# KiCad board klofi_3x5.kicad_pcb (continued)
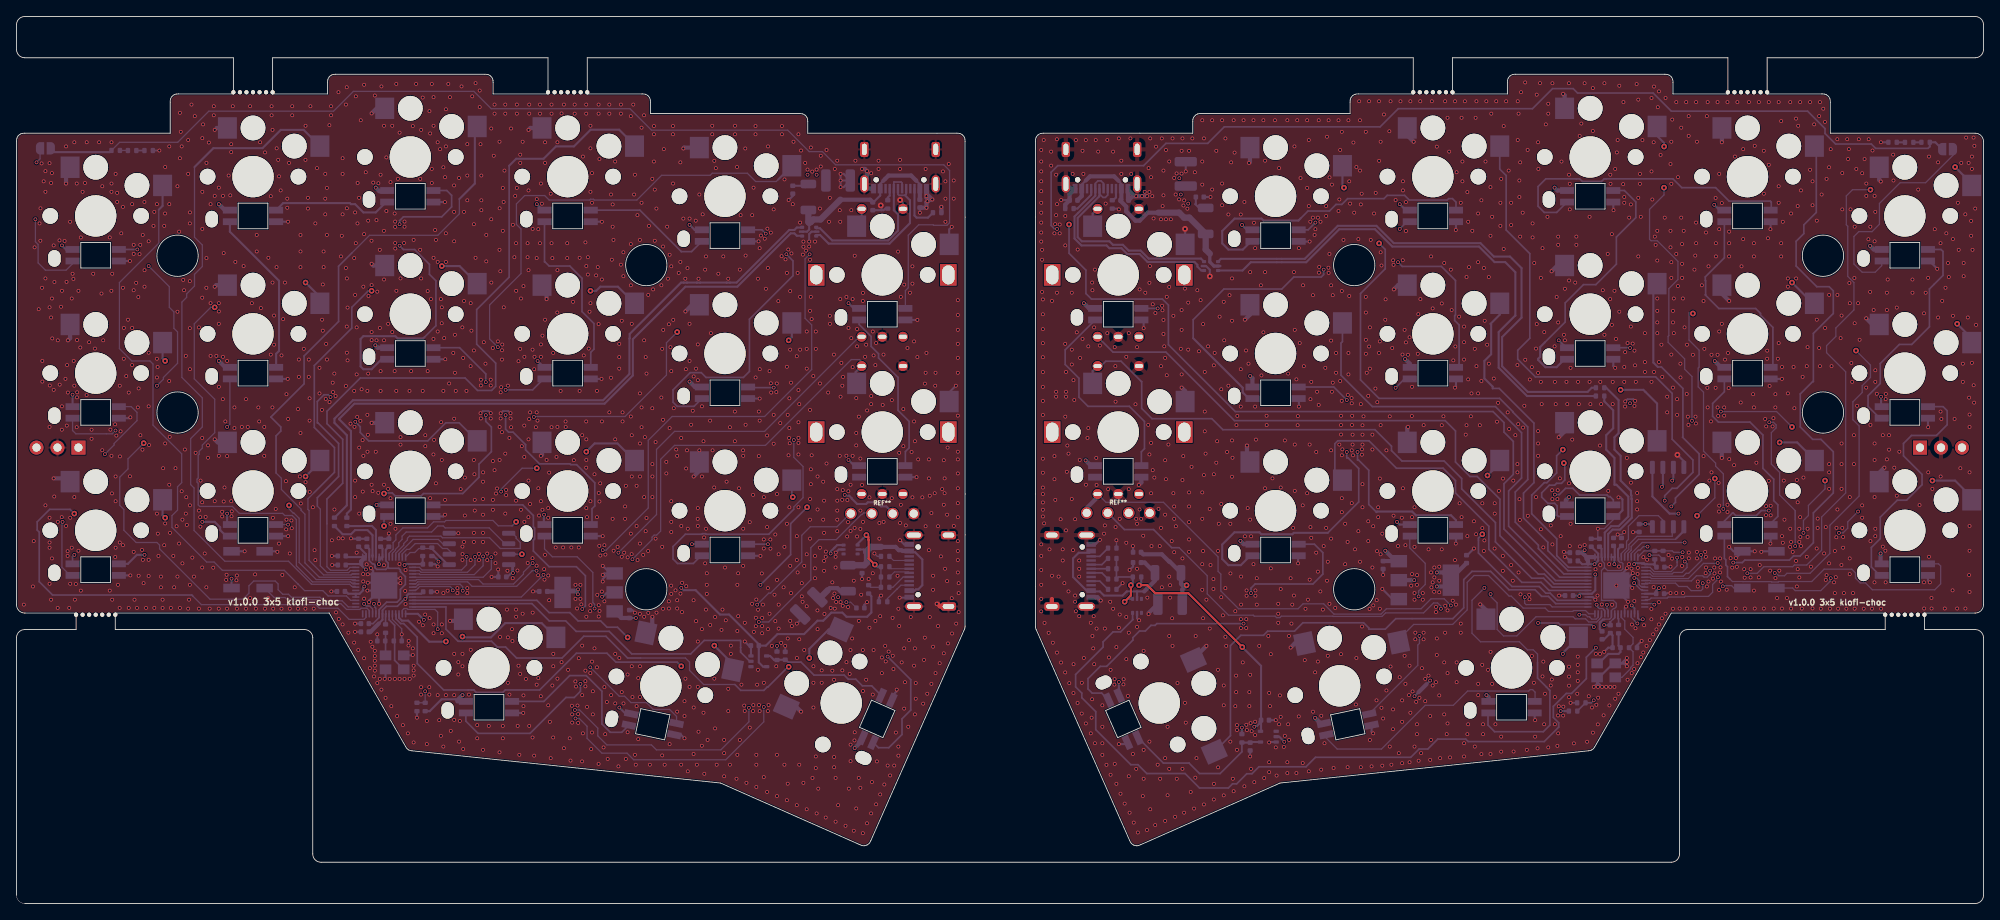
[diagram p0: board, top side]
## Routing (per net, layer and track width the routed paths; a pad name or vN(x,y) marks a point on that pad's centre or on a via; arc(x,y) is an arc through that point) (continued)
/right/KEY7: length 28
  In1.Cu w0.203: v2(177.5,44.75) 178.5,45.75 178.5,51.5 178,52
  Back w0.203: rU5.31 186.59,36.74 185.72,37.61 185.19,37.61 184.38,38.42 181.09,38.42 177.03,42.48 177.03,44.28 v2(177.5,44.75)
  Back w0.254: v2(178.13,51.87) 178.73,52.48 178.73,53.69
/right/KEY8: length 29.6
  Back w0.152: 168.29,32.92 169.19,33.82 173.91,33.82 175.67,35.58 175.67,38.92 176.5,39.75 178.25,39.75 180.75,37.25 181,37.25 182.45,35.8 185.11,35.8 185.51,35.4 188.45,35.4 188.55,35.5 190,35.5 190.4,35.1 rU5.28
/right/KEY9: length 12.9
  In1.Cu w0.152: v1(187.25,30.25) 188,31 188,33.75 v1(189.25,35)
  Back w0.152: rU5.27 191.53,34.7 191.29,34.46 190.75,34.46 190.5,34.71 190.5,34.75 190.25,34.75 190,35 v1(189.25,35) ; 188.29,32.02 188.59,32.32 188.59,33.42
  Back w0.254: rSW19.1 187.25,30.37 v1(187.25,30.25)
/right/KEY10: length 41.6
  In1.Cu w0.203: 192.75,59 192.75,57.75 191.25,56.25 189.75,56.25 188.5,55 v2(187.25,55)
  In1.Cu w0.254: 192.75,59 194.25,60.5 v2(194.25,62.25)
  Back w0.203: v2(187.25,55) 186.5,54.25 186.5,52.17 185.33,51 185,51 183.5,49.5 183.48,49.5 183.48,47.23 186.52,44.19 186.52,42.15 187.93,40.74 rU5.41
  Back w0.254: rSW16.1 198.66,60.59 197,62.25 v2(194.25,62.25)
/right/KEY11: length 43.5
  In1.Cu w0.203: v1(201.09,41.92) 199.89,43.12 199.89,47.07 200.39,47.57 v1(200.39,48.12)
  Back w0.152: 201.09,41.32 201.09,40.94 200.36,40.22 198.33,40.22 197.81,40.74 rU5.2
  Back w0.203: v1(200.39,48.12) 200.89,48.62 200.89,49.14 203.75,52 203.75,54.5 201.75,56.5 201.79,56.54 201.79,62.42 199.19,65.02 198.75,65.02 ; 201.09,41.32 v1(201.09,41.92)
  Back w0.254: 198.75,65.02 198.21,65.56 198.21,74.66 rSW10.1
/right/KEY12: length 66
  In1.Cu w0.152: 199.5,91.75 v2(199.52,91.73) 199.52,86.77 v2(199.5,86.75) ; v1(202.89,58.5) 202.89,54.82 203.09,54.62 203.09,50.56 202.99,50.45 202.99,49.52 203.09,49.42 203.09,48.42 203.71,47.8 203.79,47.8 204.06,47.52 204.06,45.91 203.64,45.49 203.64,44.18 204.01,43.81 204.01,42.27 v1(203.99,42.24)
  Back w0.152: v1(202.89,58.5) 202.89,63.86 202,64.75 202,66 200,68 200,68.73 200.09,68.82 200.09,74.52 201.19,75.62 201.19,77.82 198.69,80.32 197.93,80.32 197.75,80.5 197.75,84.13 199.5,85.88 v2(199.5,86.75) ; v1(203.99,42.24) 204.06,42.17 204.06,41.59 202.49,40.02 202.19,40.02 201.83,39.66 198.1,39.66 197.82,39.94 rU5.4
  Back w0.254: rSW4.1 198.66,93.02 199.52,92.17 v2(199.52,91.73)
/right/KEY13: length 79.1
  In1.Cu w0.203: v1(206,41.26) 206.53,41.26 206.59,41.32 v1(207.89,41.32)
  Back w0.152: v1(206,41.26) 205.95,41.22 204.29,41.22 202.45,39.38 197.99,39.38 197.82,39.54 rU5.5
  Back w0.203: rSW3.1 217.94,91.56 217.94,83.75 216.43,82.24 216.43,81.18 215.5,80.25 215.5,77.25 218,74.75 219.5,74.75 220,74.25 220,71.5 217.59,69.09 217.59,63.25 217.5,63.25 216,61.75 216,57.75 217.5,56.25 218.5,56.25 220,54.75 220,49.75 217.59,47.34 217.59,43.72 215.99,42.12 215.19,42.12 214.69,41.62 209.29,41.62 208.99,41.32 v1(207.89,41.32)
/right/KEY14: length 60.4
  In1.Cu w0.152: v1(206.69,47.82) 206.69,43.52 205.09,41.92 v1(205.09,40.34)
  In1.Cu w0.254: v2(203,71.5) 206.75,71.5 207.98,72.73 210.98,72.73 213.5,75.25 v2(215,75.25)
  Back w0.152: rU5.6 197.83,39.14 197.87,39.1 202.82,39.1 203.44,39.72 204.19,39.72 204.35,39.56 204.74,39.56 205.02,39.84 205.02,39.85 205.09,39.92 v1(205.09,40.34) ; v1(206.69,47.82) 206.69,52.06 205.75,53 205.75,53.36 204.29,54.83 204.29,61.96 203.64,62.61 203.64,64.89 203.75,65 203.75,67.06 202.53,68.28 202.53,71.58 202.92,71.58 v2(203,71.5)
  Back w0.254: v2(215,75.25) 217.51,72.74 rSW9.1
/right/KEY15: length 37.7
  In1.Cu w0.152: v2(213.5,55.87) 213.5,55.25 212.25,54 208.16,54 v2(205.66,51.5) ; v2(203.5,47) 203.5,46.5 203,46 203,43.33 202.99,43.32 202.99,40.62 204.21,39.39 204.21,38.84 v1(204.19,38.82)
  Back w0.152: v2(205.66,51.5) 205.66,49.16 v2(203.5,47) ; v1(204.19,38.82) 204.19,38.12 203.99,37.92 202.79,37.92 202.29,38.42 201.29,38.42 200.89,38.82 197.75,38.82 197.75,38.82 197.25,38.82 rU5.7
  Back w0.254: v2(213.5,55.87) 215.63,55.87 217.71,53.79 rSW15.1
/right/KEY16: length 100.4
  In1.Cu w0.152: v1(220.69,44.92) v1(216.39,44.92) ; v2(219,51.25) 219,51.75 218.75,52 218.75,55 216,57.75 v2(215,57.75) ; v1(206.39,59.62) 202.69,59.62 202.53,59.47 202,60 199.25,60 197.5,58.25 195.25,58.25 193.75,56.75 193.75,54.25 194.47,53.53 194.47,46.3 192.39,44.22 189.59,44.22 188.64,43.27 188.64,42.37 186.79,40.52 185.19,40.52 182.62,37.95 182.62,37.13 v1(182.64,37.12)
  In1.Cu w0.254: v1(223,47.5) 226.5,47.5 227.5,48.5 229.25,48.5 v2(232,51.25)
  Back w0.152: v1(223,47.5) 221.75,46.25 221.75,45.48 221.19,44.92 v1(220.69,44.92) ; rU5.29 185.97,35.94 185.69,36.22 182.79,36.22 182.62,36.39 182.62,37.1 v1(182.64,37.12) ; v1(216.39,44.92) 216.39,46.42 216.99,47.02 216.99,48.24 219,50.25 v2(219,51.25) ; v2(215,57.75) 213.13,59.62 v1(206.39,59.62)
  Back w0.254: rSW14.1 236.76,49.24 234.75,51.25 v2(232,51.25)
/right/KEY17: length 75.8
  In1.Cu w0.152: v1(196.27,33.94) 196.31,33.9 196.31,33.79 196.89,33.22 197.59,33.22 198.59,34.22 198.59,34.62 199.19,35.22 199.19,35.42 200.09,36.32 211.89,36.32 212.49,36.92 212.49,39.64 v1(212.91,40.06)
  In1.Cu w0.254: v2(235,70.25) 232.5,70.25 230,67.75 223.5,67.75 v2(222.75,67)
  Back w0.152: rU5.17 195.53,34.66 196.18,34.02 196.19,34.02 v1(196.27,33.94) ; v2(222.75,67) 224.5,65.25 224.5,63.75 223.5,62.75 223.5,61.92 222.38,60.8 222.38,58.62 223.13,57.87 223.13,49.37 219.58,45.83 219.58,42.42 217.19,40.02 214.39,40.02 214.09,39.72 213.39,39.72 213.05,40.06 v1(212.91,40.06)
  Back w0.254: rSW8.1 236.76,68.49 v2(235,70.25)
/right/KEY18: length 89.2
  In1.Cu w0.152: v2(224.5,86.5) 229.5,86.5 232.25,89.25 v2(234.75,89.25) ; v1(209.59,40.02) 207.69,40.02 207.2,39.53 v1(206.03,39.53)
  Back w0.152: v1(209.59,40.02) 210.79,40.02 211.59,40.82 215.09,40.82 215.29,41.02 216.79,41.02 218.59,42.82 218.59,46.84 221.5,49.75 221.5,64.44 219.19,66.75 219.19,67.6 220.31,68.73 220.31,69.75 222.5,71.94 222.5,75.25 221.75,76 221.75,82.08 221.58,82.25 221.58,85.75 222.33,86.5 v2(224.5,86.5) ; v1(206.03,39.53) 205.9,39.41 205.9,39.18 205.39,38.67 205.39,37.72 204.89,37.22 202.06,37.22 201.99,37.14 200.01,37.14 199.89,37.02 197.94,37.02 197.75,36.84 197.27,36.84 rU5.12
  Back w0.254: v2(234.75,89.25) 236.76,87.24 rSW2.1
/right/KEYEX1: length 102.6
  In1.Cu w0.254: rEXSW1.S2 129.34,84.18 v2(127.45,82.29)
  Back w0.203: 130.04,81.47 129.87,81.64 ; rU5.37 186.37,39.14 180.13,45.38 180.13,50.88 181.25,52 181.25,56 180.13,57.12 180.13,58.28 178.79,59.62 147.59,59.62 139.49,67.72 139.49,72.52 138.76,73.25 130.17,73.25 129.5,73.92 129.5,76.75 127.45,78.8 127.45,82.2 127.5,82.25 127.46,82.29 v2(127.45,82.29)
  Back w0.254: rEXSW1.S2 130.31,83.58 rEXSW1.S2
/right/KEYEX2: length 77.8
  Back w0.203: 130.91,64.73 131.9,65.72 133.75,65.72 136.22,63.25 136.25,63.25 136.25,60 137.5,58.75 144.75,58.75 146.08,57.42 164.5,57.42 166.5,55.42 166.5,54.89 167.76,53.62 172.88,53.62 175,51.5 175,50.25 179.09,46.16 179.09,43.82 183.49,39.42 184.91,39.42 185.99,38.34 rU5.35
  Back w0.254: rEXSW2.S2 130.31,64.53 rEXSW2.S2
/right/LED: length 63.2
  In1.Cu w0.203: v1(198.33,36.22) 197.09,36.22 196.15,37.16 194.82,37.16 194.19,36.52 194.19,35.72 193.79,35.32 190.59,35.32 188.69,33.42 188.69,31.32 188.5,31.13 188.5,25.25 188.89,24.86 188.89,23.37 186.64,21.12 169.39,21.12 166.69,18.42 164.99,18.42 164.79,18.22 162.79,18.22 162.49,17.92 160.99,17.92 160.89,17.82 155.39,17.82 153.61,19.6 v1(153.52,19.6)
  Back w0.152: v1(198.33,36.22) 198.19,36.22 198.07,36.34 rU5.13
  Back w0.254: v1(153.52,19.6) 152.9,20.22 rU6.2
/right/QSPI_SCLK: length 8.6
  Back w0.152: rU5.52 194.73,42.42 195.25,42.93 195.25,43.5 196.25,44.5 200.5,44.5 200.5,45.51 rU3.6
/right/QSPI_SD0: length 9.1
  Back w0.152: 201,44.25 200.89,44.14 196.41,44.14 195.53,43.26 195.53,42.81 195.13,42.42 rU5.53
  Back w0.254: 201,44.25 201.91,45.15 rU3.5
/right/QSPI_SD1: length 12.7
  In1.Cu w0.254: v1(197.5,43.25) 198.25,44 198.25,49.5 v1(199.25,50.5)
  Back w0.152: rU5.55 195.93,42.38 196.38,42.82 196.57,42.82 197,43.25 v1(197.5,43.25)
  Back w0.254: rU3.2 199.37,50.61 v1(199.25,50.5)
/right/QSPI_SD2: length 17.2
  In1.Cu w0.152: v1(202,43.75) 202,49.75 v1(200.5,51.25)
  Back w0.152: rU5.54 195.53,42.43 196.86,43.75 v1(202,43.75)
  Back w0.254: v1(200.5,51.25) 200.64,51.38 rU3.3
/right/QSPI_SD3: length 9.8
  Back w0.152: rU3.7 199.37,46.45 198.81,47 196.47,47 195.19,45.72 195.19,44.12 194.96,43.9 194.96,43.05 194.33,42.41 rU5.51
/right/QSPI_SS: length 18.3
  In1.Cu w0.152: v1(201.76,42.56) 201.19,43.13 201.19,47.19 v1(201.25,47.25)
  Back w0.152: rR3.1 197.08,42.73 rU5.56 ; v1(201.76,42.56) 200.66,42.56 200.5,42.73 rR4.1
  Back w0.203: rR4.1 rR3.1
  Back w0.254: rU3.1 198.1,49.33 200.18,47.25 v1(201.25,47.25)
/right/RE0A: length 76.6
  Back w0.203: rEXSW1.A 132.77,66.82 139.19,66.82 147.49,58.52 173,58.52 174.25,57.27 174.25,53.5 176,51.75 176.88,51.75 179.63,49 179.63,44.57 184.29,39.92 185.01,39.92 186.19,38.74 rU5.36
/right/RE1A: length 84.4
  In1.Cu w0.152: v1(173.69,36.12) 177.31,32.5 181.75,32.5 184.27,35.02 184.27,35.52 187.27,38.52 190.98,38.52 191.92,39.45 v1(195.9,39.45)
  Back w0.152: v1(173.69,36.12) 172.89,36.92 171.29,36.92 170.09,35.72 165.89,35.72 165.24,35.07 159.54,35.07 158.29,36.32 155.79,36.32 155.19,35.72 147.99,35.72 145.84,37.87 145.84,39.91 145.5,40.25 145.5,42.01 138.89,48.62 131.92,48.62 rEXSW2.A ; v1(195.9,39.45) 195.9,39.42 195.91,39.42 196.2,39.42 196.49,39.13 196.49,38.62 196.68,38.44 197.17,38.44 rU5.8
  Back w0.508: rEXSW2.A 130.91,49.24 129.6,47.93 rJ2.1
/right/REB: length 103.9
  In1.Cu w0.152: v1(172.49,35.72) 172.59,35.62 172.59,34.62 174.46,32.75 174.46,32.64 174.71,32.39 174.82,32.39 175.19,32.02 179.48,32.02 179.75,31.75 181.46,31.75 181.57,31.64 182.89,31.64 185.77,34.52 187.89,34.52 192.39,39.02 195.69,39.02 v1(195.88,38.83)
  In1.Cu w0.203: rEXSW1.B 137.5,67.09 137.5,63.23 136.38,62.11 136.38,58.63 136.59,58.42 136.59,50.3 rEXSW2.B 135.36,49.63 133.06,47.33 rJ2.2
  Back w0.152: rU5.9 196.97,37.94 196.87,38.04 196.68,38.04 196.53,38.18 196.53,38.19 196.29,38.42 196.29,38.42 v1(195.88,38.83) ; v1(172.49,35.72) 172.49,36.02 172.09,36.42 171.59,36.42 170.39,35.22 165.78,35.22 165.35,34.79 159.42,34.79 159.39,34.82 153.16,34.82 152.99,34.64 152.59,34.64 152.41,34.82 149.89,34.82 149.77,34.94 146.77,34.94 144.19,37.52 144.19,39.72 140.79,43.12
  Back w0.203: 140.79,43.12 139.88,43.12 137.69,45.32 134.16,45.32 rJ2.2
/right/rLED_LVL_UP: length 18.9
  Back w0.203: rR19.1 148.39,18.39 145.75,15.75 143.25,15.75 142,17 142,17.02 138.87,17.02 rLED21.4
  Back w0.254: rR19.1 148.4,19.5 rC25.1 149.46,19.57 rU6.4
/right/rVBUS_ESD: length 27.8
  Back w0.254: J5.B4 133.79,87.2 133.57,87.41 133.57,87.46 133.45,87.59 ; J5.A4 128.99,87.12 129.49,87.62
  Back w0.4: rU2.5 145,77.25 144.5,77.75 144.5,78.75
  Back w0.508: 133.45,87.59 132.91,88.12 129.99,88.12 129.49,87.62 ; 138.28,83.72 136.97,83.72 136,82.75 135.5,82.75 134.38,83.87 134.38,84.45 133.71,85.13 rC7.1 133.79,85.3 J5.B4 ; rC6.1 128.99,85.73 J5.A4
  Back w0.762: 138.28,83.72 140.79,83.72 141.39,83.12 142.03,83.12 rFB1.1 144,79.25 144.5,78.75
/right/SWCLK: length 78.6
  In1.Cu w0.152: 232,37.52 232.29,37.52 ; 232,37.52 234.77,37.52 237,39.75 237,56.25 236.5,56.75 232,56.75 rJ1.1 ; 232,37.52 223.89,37.52 223.39,37.02 215.29,37.02 214.99,37.32 214.99,40.52 214.59,40.92 211.89,40.92 211.49,40.52 211.49,37.42 211.09,37.02 199.99,37.02 199.89,37.12 198.19,37.12 197.84,37.46 193.53,37.46 192.59,36.52 v1(192.59,36.21)
  Back w0.152: v1(192.59,36.21) 192.59,36.01 192.59,35.72 192.73,35.57 rU5.24
/right/SWD: length 70.4
  In1.Cu w0.152: rJ1.3 236,54.83 236,40.42 234,38.42 216.99,38.42 216.69,38.72 216.69,41.42 216.09,42.02 215.69,42.02 215.59,42.12 211.49,42.12 210.49,41.12 210.49,38.92 209.69,38.12 209.29,38.12 208.69,37.52 202.69,37.52 201.59,38.62 200.54,38.62 199.34,37.42 198.41,37.42 198.09,37.74 194.21,37.74 194.14,37.82 192.87,37.82 191.67,36.62 191.66,36.62 191.39,36.34 191.34,36.34 v1(191.34,36.21)
  Back w0.152: rU5.25 192.33,35.47 192.24,35.57 192.24,35.6 192.09,35.74 191.66,35.74 191.49,35.92 191.49,36.06 v1(191.34,36.21)
/right/TX: length 101.8
  Front w0.203: v1(196.93,34.44) 196.93,34.33 196.94,34.32
  In1.Cu w0.203: v1(196.93,34.44) 196.93,34.44 194.81,34.44 194.19,33.82 194.07,33.82 v1(191.25,31) 191.19,31.06
  Back w0.203: rU4.3 135.15,34.45 135.19,34.41 133.7,32.92 132.78,32.92 131.58,31.71 131.58,31.08 128.25,27.75 128.25,26.25 129,25.5 129,24.94 130.69,23.25 130.69,21.07 134.93,16.82 135.8,16.82 136.87,15.75 141.5,15.75 143.25,14 146.75,14 147.25,14.5 147.75,14.5 148.97,15.72 149.6,15.72 150.45,16.57 156.15,16.57 157.3,17.72 168.83,17.72 169.84,18.72 170.9,18.72 172.1,19.92 175.5,19.92 175.79,19.63 185,19.63 186.75,21.38 186.75,21.9 186.1,22.55 186.1,23.89 187.67,25.45 188.3,25.45 190.1,27.25 190.1,29.85 v1(191.25,31) ; v1(196.93,34.44) 196.89,34.4 196.52,34.4 196.33,34.59 rU5.15
/right/USB_VBUS_PIN: length 20
  In1.Cu w0.203: v1(190.99,24.62) 190.99,25.26 189.5,26.75 189.5,26.77 189.51,26.79 189.51,27.16 189.5,27.18 189.5,27.82 189.51,27.83 189.51,28.21 189.5,28.22 189.5,28.72 189.51,28.73 189.51,29.11 189.5,29.12 189.5,29.72 189.51,29.73 189.51,30.11 189.5,30.12 189.5,32.73 191.59,34.82 194.45,34.82 195.59,35.95 v1(195.59,36.12)
  Back w0.203: rU5.16 195.93,35.77 v1(195.59,36.12) ; v1(190.99,24.62) 190.69,24.32 rR2.1 rR1.2
Net-(C23-Pad1): length 2.7
  Back w0.203: Y1.3 R15.1
Net-(EXLED1-DIN): length 137.4
  Back w0.152: JP1.2 4.15,91.87 ; R16.1 12.49,92.25 19.52,92.25 23.29,96.02 38.39,96.02 40.79,98.42 55.39,98.42 57.49,96.32 74.29,96.32 76.89,93.72 93.39,93.72 95.99,91.12 97.59,91.12 99.19,89.52 112.29,89.52 112.99,88.82 112.99,82.5 112.68,82.19 111.06,82.19 111,82.25 109.25,82.25 107.99,80.99 107.99,74.62 107.64,74.27 EXLED1.4
  Back w0.254: JP1.2 4.61,91.06 11.3,91.06 R16.1
Net-(EXLED1-DOUT): length 20.3
  Back w0.203: EXLED1.2 102.04,70.17 103.49,68.72 103.49,67.52 104.39,66.62 104.39,66.11 106.75,63.75 106.75,59.76 108.09,58.42 108.09,55.22 107.64,54.77 EXLED2.4
Net-(J3-CC1): length 1.5
  Back w0.254: J3.A5 105.74,85.78 105.5,85.54 R5.2
Net-(J3-CC2): length 5.9
  Back w0.254: J3.B5 108.74,83.37 108.99,83.12 110.38,83.12 R6.2
Net-(J4-CC1): length 2.6
  Back w0.127: J4.A5 106.2,41.57 R7.2
Net-(J4-CC2): length 3.7
  Back w0.152: J4.B5 107.09,38.57 106.63,38.1 106.62,38.1 105.45,36.94 R9.2
Net-(J4-D+-PadA6): length 2.2
  Back w0.127: R11.2 105.95,40.57 107.82,40.57
Net-(J4-D+-PadB6): length 2.9
  Back w0.152: R12.2 106.12,38.32 107.37,39.57 J4.B6
Net-(J4-D--PadA7): length 2.7
  Back w0.127: J4.A7 107.98,40.18 106.31,40.18 R10.1
Net-(J5-CC1): length 3.6
  Back w0.254: rR5.2 128.47,84.22 130.14,85.89 J5.A5
Net-(J5-CC2): length 1.7
  Back w0.254: rR6.2 132.81,85.23 133.14,85.56 J5.B5
Net-(J6-CC1): length 2.5
  Back w0.203: rR7.2 131.18,39.07 J6.A5
Net-(J6-CC2): length 2.5
  Back w0.203: J6.B5 131.18,42.07 rR8.2
Net-(J6-D+-PadA6): length 2.4
  Back w0.203: J6.A6 131.43,40.07 rR11.2
Net-(J6-D+-PadB6): length 2.4
  Back w0.203: rR12.2 131.43,41.07 J6.B6
Net-(J6-D--PadA7): length 2.1
  Back w0.203: rR10.1 J6.A7
Net-(JP1-A): length 19.4
  In1.Cu w0.152: v1(2.29,82.92) 2.29,88.58 2.43,88.72 v1(2.43,89.82)
  Back w0.152: v1(2.29,82.92) 2.29,80.19 2.62,79.87 2.62,77.63 3.5,76.75 6,76.75 6.79,77.54 LED2.2 ; JP1.1 2.85,90.24 v1(2.43,89.82)
Net-(LED2-DIN): length 37.5
  In1.Cu w0.152: v1(11.99,57.32) 12.89,58.22 14,58.22 15.5,59.72 15.5,61.25 v1(17,62.75) ; 15.5,79.26 16,78.76 v1(16,77.25)
  In1.Cu w0.203: v1(14.63,79.26) 15.5,79.26
  Back w0.152: v1(16,77.25) 18.5,74.75 18.5,72.25 19.06,71.69 19.06,69.71 19.5,69.27 19.5,65.46 17.79,63.75 17.79,63.54 v1(17,62.75) ; v1(11.99,57.32) 11.59,56.92 7.19,56.92 6.79,57.32 LED8.2
  Back w0.203: v1(14.63,79.26) LED2.4
Net-(LED3-DIN): length 14.8
  Back w0.254: LED3.4 32.29,84.88 40.37,84.88 40.5,84.75 41,84.75 42,83.75 43.5,83.75 44.75,85 LED4.2
Net-(LED3-DOUT): length 20.3
  Back w0.254: LED3.2 25.84,81.41 31.79,75.46 31.79,66.97 31.44,66.62 LED9.4
Net-(LED5-DIN): length 16
  Back w0.203: LED6.2 81.75,79 80.5,79 80.5,79 75.48,84.02 LED5.4
Net-(LED10-DIN): length 39
  In1.Cu w0.203: v1(56.83,59.18) v1(56.83,63.18) ; v2(44.5,49.68) v2(44.5,45.75)
  Back w0.203: LED10.4 53.65,67.35 56.83,64.18 v1(56.83,63.18) ; v1(56.83,59.18) 56.83,58.42 57.5,57.75 57.5,54.75 56,53.25 56,51.65 54.03,49.68 49.28,49.68 49,49.4 45.85,49.4 45.5,49.75 44.57,49.75 v2(44.5,49.68) 44.5,49.75 ; LED16.2 44.5,46.52 v2(44.5,45.75)
Net-(LED10-DOUT): length 43.4
  In1.Cu w0.203: v1(46.39,79.72) v1(46.39,82.32)
  Back w0.203: LED4.4 52.1,86.4 52.69,85.82 52.69,84.42 51.49,83.22 46.85,83.22 46.39,82.75 v1(46.39,82.32) ; 49.42,68.65 50.79,70.02 50.79,75.46 50,76.25 50,77.46 48.21,79.25 46.86,79.25 v1(46.39,79.72)
  Back w0.254: 49.42,68.65 49.25,68.48 46.15,68.48 45.87,68.75 42,68.75 41.66,68.41 41.66,65.09 42,64.75 43,64.75 44.2,65.95 LED10.2
Net-(LED11-DIN): length 21.8
  Back w0.203: LED11.4 69.54,66.79 69.93,67.18 69.93,70.28 68.48,71.73 68.48,75.73 68.5,75.75 67,77.25 64.5,77.25 64,77.75 63.94,77.75 LED5.2
Net-(LED11-DOUT): length 29.2
  In1.Cu w0.203: v1(59.23,62.25) v1(59.23,59.18)
  Back w0.203: LED17.4 69.69,46.07 69.69,47.84 70.03,48.18 70.03,50.98 67.83,53.18 67.13,53.18 67.03,53.28 63.34,53.28 61.64,54.97 61.64,55.61 60.13,57.12 59.59,57.12 59.23,57.48 v1(59.23,59.18) ; v1(59.23,62.25) 62.5,62.25 63.82,63.57 LED11.2
Net-(LED12-DIN): length 43
  In1.Cu w0.152: v1(94.13,56.16) 94.13,61.78 93.39,62.52 v1(91.69,62.52)
  Back w0.152: v1(94.13,56.16) 94.13,54.07 95.24,52.96 95.24,49.18 94.13,48.06 94.13,47.78
  Back w0.203: LED12.4 88.66,62.52 v1(91.69,62.52) ; LED18.2 82.89,42.14 81.96,41.21 80.04,41.21 79.5,41.75 79.5,43.25 81,44.75 83,44.75 83.07,44.81 83.44,44.81 83.51,44.75 91.1,44.75 94.13,47.78
Net-(LED12-DOUT): length 38.8
  In1.Cu w0.203: v1(93.23,78.68) v1(90.73,81.18)
  Back w0.203: v1(90.73,81.18) 90.26,81.64 LED6.4 ; LED12.2 82.05,60.25 80,60.25 79.5,60.75 79.5,62.25 81.58,64.33 82.92,64.33 83.5,63.75 88.02,63.75 88.75,64.48 88.75,70.8 94.03,76.08 94.03,77.88 v1(93.23,78.68)
Net-(LED14-DIN): length 17
  In1.Cu w0.254: v1(15.5,42.25) 15.98,42.25 16.45,42.72 19.59,42.72 21.39,44.52 21.39,45.47 22.17,46.25 v1(22.5,46.25)
  Back w0.254: LED15.2 25.39,44.52 24.66,45.25 24.66,45.59 24,46.25 v1(22.5,46.25) ; v1(15.5,42.25) 14.57,42.25 13.48,41.16 LED14.4
Net-(LED14-DOUT): length 29.1
  In1.Cu w0.152: v1(5.58,46.25) 6.08,46.75 6.08,47.83 7,48.75 8,48.75 8.39,49.14 10.39,49.14 11.5,50.25 11.5,53.64 v1(10.7,54.45)
  Back w0.152: LED14.2 6.49,39.76 5.5,40.75 5.5,46.17 v1(5.58,46.25) ; LED8.4 13.9,60.21 14.59,59.52 14.59,58.52 11.82,55.75 11.82,55.57 v1(10.7,54.45)
Net-(LED15-DIN): length 23.9
  In1.Cu w0.152: v1(25.5,57.75) 25.5,55.25 27,53.75 29.5,53.75 31.89,51.36 31.89,46.64 32.61,45.92 v1(32.89,45.92)
  Back w0.152: v1(25.5,57.75) 25.84,58.09 LED9.2 ; v1(32.89,45.92) 32.88,45.92 LED15.4
Net-(LED16-DIN): length 57.7
  In1.Cu w0.203: v1(68.51,35.69) 68.51,34.76 67.84,34.09 67.19,34.09 67.19,28.72 68.29,27.62 v1(68.29,26.62)
  Back w0.203: v1(68.29,26.62) 68.29,25.72 67.54,24.97 66.54,24.97 62.19,20.62 55.89,20.62 54.41,22.09 LED19.2 ; LED16.4 61.3,48.3 62.59,47.02 62.59,45.65 62.74,45.5 62.74,44.17 62.59,44.03 62.59,42.72 64.49,40.82 67.79,40.82 68.89,39.72 68.89,36.06 v1(68.51,35.69)
Net-(LED17-DOUT): length 34.4
  In1.Cu w0.152: v1(70,35.75) 69.87,35.62 69.89,35.61 69.89,35.25 69.79,35.14 69.79,34.06 69.19,33.46 69.19,28.92 v1(69.49,28.62)
  Back w0.152: v1(69.49,28.62) 72.99,25.12 73.63,25.12 74.4,24.35 76.27,24.35 77.1,23.52 79.08,23.52 79.93,22.68 LED20.4 ; LED17.2 63.94,42.97 64.89,42.02 67.89,42.02 69.79,40.12 69.79,36.47 70,36.26 v1(70,35.75)
Net-(LED18-DIN): length 40.3
  In1.Cu w0.152: v1(90.99,43.54) 91.86,43.54 95.44,39.97 95.44,39.37 96.29,38.52 96.29,35.22 99.99,31.52 103.89,31.52 v1(105.49,29.92)
  Back w0.203: v1(90.99,43.54) LED18.4 ; v1(105.49,29.92) 108.29,27.12 108.29,23.44 107.23,22.38 107.23,20.48 105.63,18.88 104.38,18.88 LED21.2
Net-(LED19-DIN): length 21
  Back w0.203: LED19.4 63.86,24.49 66.99,27.62 68.99,27.62 70.89,25.72 70.89,21.76 71.9,20.75 73.29,20.75 LED20.2
Net-(R4-Pad2): length 31.8
  In1.Cu w0.203: v1(26.04,39.37) 26.04,39.81 26.48,40.25 27.05,40.25 28.29,39.02 34.99,39.02 36.99,41.02 36.99,42.02 38.39,43.42 49.2,43.42 51.09,41.52 v1(51.09,41.43)
  Back w0.254: v1(51.09,41.43) 51.09,41.52 50.51,42.11 R4.2 ; v1(26.04,39.37) SMDSW1.2
Net-(R16-Pad2): length 1
  Back w0.152: R17.1 13.48,91.26 R16.2
Net-(R17-Pad2): length 1
  Back w0.203: R17.2 R18.1
Net-(rC23-Pad1): length 6.2
  Back w0.254: 191.79,28.67 191.32,28.67 ; rY1.3 191.6,29.1 192.75,30.25 194,30.25 194.23,30.48 rC23.1 194,31.23 rR15.1
Net-(rEXLED1-DIN): length 144.5
  In1.Cu w0.203: v1(126,81.75) 126.03,81.72 131.19,81.72 133.59,79.32 134.79,79.32 136.59,77.52 136.59,74.92 138.19,73.32 v1(138.19,72.12)
  Back w0.203: rEXLED1.4 137.99,72.12 137.99,72.12 v1(138.19,72.12) ; v1(126,81.75) 125.71,81.75 125.29,82.17 125.29,88.62 126.09,89.42 136.49,89.42 139.19,92.12 144.25,92.12 146.25,94.12 165.12,94.12 167.32,96.32 183.57,96.32 186,98.75 188.5,98.75 189.03,98.22 198.19,98.22 200.39,96.02 216.89,96.02 219,93.91 219,93.32 220.28,92.03 224.61,92.03 225.13,91.52 231.48,91.52 231.69,91.72
  Back w0.254: 232.89,91.72 rJP1.2 232.36,92.25 rR16.1 231.69,91.72
Net-(rEXLED1-DOUT): length 26.2
  Back w0.203: rEXLED1.2 126.99,67.09 126.99,65.32 128.65,63.65 128.65,61.35 129.75,60.25 134.76,60.25 136.59,58.42 136.59,55.12 136.21,54.74 rEXLED2.4
Net-(rJP1-A): length 26.3
  Back w0.152: rJP1.1 234.49,90.66 231.17,87.35 228.1,87.35 225.59,84.84 225.59,82.32 224.69,81.42 223.09,81.42 222.5,80.83 222.5,77.5 223.5,76.5 225.07,76.5 225.86,77.29 rLED2.2
Net-(rLED2-DIN): length 27.6
  Back w0.203: rLED2.4 233.05,79.26 233.29,79.02 233.29,76.12 231.64,74.47 231.64,69.89 229.5,67.75 228,67.75 225.69,65.44 225.69,63.02 224.21,61.54 224.21,60.24 225.64,58.81 rLED8.2
Net-(rLED3-DIN): length 37.8
  Back w0.203: 212.49,85 212.37,85.12 207.38,85.12 205.75,86.75 201.66,86.75 200.59,87.82 192.5,87.82 192.5,87.82 192.25,87.82 191.94,87.5 189.61,87.5 189.3,87.82 188.88,87.82 188.88,87.82 185.19,87.82 184.25,86.88 184.25,84.5 185,83.75 186.51,83.75 rLED4.2 ; 212.49,85 212.49,84.1 rLED3.4 ; 212.49,85 212.49,85.02
Net-(rLED3-DOUT): length 24.8
  Back w0.203: rLED3.2 206.81,78.25 204.5,75.94 204.5,75.5 204.54,75.46 204.54,73.79 204.5,73.75 206.15,72.1 210.6,72.1 211.19,71.52 211.19,71.31 212.69,69.81 212.69,65.25 rLED9.4
Net-(rLED5-DIN): length 37.6
  Back w0.203: 155.49,83.02 156.39,83.92 158.99,83.92 159.79,84.72 160.49,84.72 161.19,85.42 165.59,85.42 165.99,85.82 168.09,85.82 168.66,85.25 173.25,85.25 173.42,85.42 173.89,85.42 174.31,84.99 rLED5.4
  Back w0.254: rLED6.2 149.49,80.24 148.5,79.25 146.75,79.25 146,80 146,81.5 147.5,83 150.77,83 151,82.77 155.23,82.77 155.49,83.02
Net-(rLED10-DIN): length 31.5
  In1.Cu w0.203: v2(187.38,53.37) 187.25,53.25 187.5,53.5 187.5,53.75 187.72,53.75 189.72,55.75 191.25,55.75 195.39,59.89 v1(195.39,60.62) v1(195.39,67.32)
  Back w0.203: v1(195.39,67.32) 195.35,67.35 rLED10.4 ; v2(187.38,53.37) 187.49,53.26 187.49,51.32 187.09,50.92 186.49,50.92 186.26,50.69 185.61,50.69 184.69,49.77 184.69,49.25 185.44,48.5 186.25,48.5 186.56,48.19 186.56,47.05 186.71,46.9 rLED16.2
Net-(rLED10-DOUT): length 32.5
  Back w0.203: 185.09,68.02 187.53,70.47 187.53,72.78 189.75,75 191.25,75 193.73,77.48 193.73,80.77 196.09,83.12 196.09,85.02 194.7,86.4 rLED4.4
  Back w0.254: rLED10.2 187.45,65.95 186.49,64.99 185.14,64.99 184.25,65.88 184.25,66 184.5,66.25 184.5,67.43 185.09,68.02
Net-(rLED11-DIN): length 24.9
  In1.Cu w0.203: v1(167.29,77.72) 167.29,78.52 166.79,79.02 166.79,81.04 v1(167.5,81.75)
  Back w0.203: v1(167.29,77.72) 167.8,77.2 172.55,77.2 174.25,75.5 174.25,71.32 174.15,71.23 174.15,70.65 174.69,70.12 174.69,65.35 rLED11.4 ; rLED5.2 168.37,82.62 v1(167.5,81.75)
Net-(rLED11-DOUT): length 31.6
  In1.Cu w0.203: v1(167,62.5) 165.67,62.5 162.39,59.22 v1(162.39,54.72)
  Back w0.203: rLED11.2 168.07,63.57 v1(167,62.5) ; 164.68,47.43 163.75,48.36 163.75,52.5 162.5,53.75 162.39,53.75 v1(162.39,54.72)
  Back w0.254: rLED17.4 174.31,46.44 173.7,47.05 169.45,47.05 169,47.5 164.75,47.5 164.68,47.43
Net-(rLED12-DIN): length 44.6
  In1.Cu w0.203: v1(161.09,54.72) v1(161.09,61.02)
  Back w0.203: 158.79,44.92 162.53,48.66 162.53,52.72 161.25,54 161.09,54 v1(161.09,54.72) ; rLED12.4 159.51,62.59 v1(161.09,61.02)
  Back w0.254: rLED18.2 149.39,42.14 148.25,41 146.75,41 146,41.75 146,43.5 147.48,44.98 150.52,44.98 150.75,44.75 154.5,44.75 154.67,44.92 158.79,44.92
Net-(rLED12-DOUT): length 40
  In1.Cu w0.203: v1(158.29,76.82) 158.29,81.52 v1(157.29,82.52)
  Back w0.203: v1(157.29,82.52) 156.41,81.64 rLED6.4 ; 142.49,68.5 142.49,70.75 146.2,74.46 153.21,74.46 154.67,75.92 157.99,75.92 158.29,76.22 v1(158.29,76.82)
  Back w0.254: rLED12.2 149.23,61.19 148.49,61.93 148.49,62.5 142.49,68.5
Net-(rLED14-DIN): length 37.3
  Back w0.152: rLED14.4 232.75,41.16 233,40.91 233,38.73 232.29,38.02 224.73,38.02 223.9,38.85 223.26,38.85 222.69,39.42 222.69,40.06 222.23,40.52 218.89,40.52 217.39,39.02 213.39,39.02 213.33,38.96 212.55,38.96 212.5,39.01 209.07,39.01 209.06,39.02 207.79,39.02 207.49,39.32
  Back w0.203: 207.49,39.32 207.19,39.62 207.19,40.82 206.99,41.02 206.99,41.64 206.81,41.82 rLED15.2
Net-(rLED14-DOUT): length 31.2
  Back w0.203: rLED14.2 225.64,39.76 224.61,40.79 224.61,43.14 225.69,44.22 225.69,46.81 227.75,48.87 228.88,48.87 230.75,50.75 230.75,52 228.5,54.25 228.5,55.75 229.47,56.72 232.49,56.72 233.79,58.02 233.79,59.72 233.3,60.21 rLED8.4
Net-(rLED15-DIN): length 24.1
  Back w0.203: rLED15.4 212.41,46.04 213.29,46.92 213.29,48.32 212.79,48.82 212.79,51.42 211.48,52.73 211.48,56.77 209.91,58.34 206.09,58.34 205.39,59.04 205.39,60.59 206.81,62.02 rLED9.2
Net-(rLED16-DIN): length 59.4
  In1.Cu w0.203: v1(186.29,49.56) 185.56,49.56 184.25,48.25 184.25,46.5 185.19,45.56 185.19,44.32 179.29,38.42 177.92,38.42 v1(177.75,38.25)
  Back w0.152: 184.19,29.22 184.19,30.22 183.67,30.74 182.97,30.74 181.99,31.72 177.28,31.72 176.25,32.75 176.25,36.75 v1(177.75,38.25)
  Back w0.203: 184.19,29.22 184.19,27.32 185.28,26.22 185.28,26.21 185.58,25.92 185.59,25.92 185.69,25.82 185.69,21.62 184.89,20.82 178.99,20.82 178.19,21.62 178.19,23.04 rLED19.2 ; rLED16.4 193.36,48.92 192.98,49.31 192.8,49.31 192.61,49.5 189.28,49.5 188.46,50.32 187.59,50.32 186.83,49.56 v1(186.29,49.56)
Net-(rLED17-DOUT): length 25.2
  In1.Cu w0.152: v1(169.79,37.22) 169.79,33.32 169.89,33.22 v1(169.89,32.42)
  Back w0.152: v1(169.89,32.42) 169.89,31.52 169.69,31.32 169.69,28.87 rLED20.4 ; rLED17.2 168.71,43.09 170.59,41.22 170.59,38.67 169.79,37.87 v1(169.79,37.22)
Net-(rLED18-DIN): length 46.4
  In1.Cu w0.203: v1(149.49,37.62) 149.49,34.32 149.09,33.92 v1(148.59,33.92)
  Back w0.203: rLED21.2 131.4,25.5 130.25,25.5 129.75,26 129.75,27.25 131.24,28.74 132.01,28.74 135.19,31.92 135.19,32.22 135.99,33.02 136.69,33.02 137.38,33.71 137.87,33.71 138.09,33.92 v1(148.59,33.92) ; rLED18.4 157.16,43.54 158.19,42.52 158.19,39.92 156.99,38.72 149.99,38.72 149.49,38.22 v1(149.49,37.62)
Net-(rLED19-DIN): length 30.5
  Back w0.152: rLED20.2 158.61,20.03 159.93,18.72 165.29,18.72 170.59,24.02 173.99,24.02 175.72,25.75 183.12,25.75 183.29,25.92 183.59,25.92 183.89,25.62 183.89,24.54 rLED19.4
Net-(rR4-Pad2): length 15.6
  In1.Cu w0.152: v1(206.62,38.44) 206.58,38.48 205.42,38.48 204.89,37.94 203.39,37.94 202.89,38.44 202.89,39.02 201.79,40.12 199.99,40.12 197.89,42.22 v1(197.74,42.22)
  Back w0.152: rSMDSW1.2 207.98,38.23 207.69,38.52 206.77,38.52 206.69,38.44 v1(206.62,38.44) ; rR4.2 198.88,42.22 v1(197.74,42.22)
Net-(rR16-Pad2): length 1
  Back w0.254: rR17.1 230.66,92.24
Net-(rR17-Pad2): length 1
  Back w0.254: rR18.1 227.7,92.24 rR17.2
Net-(rU5-RUN): length 102.7
  In1.Cu w0.152: v1(178.5,37.5) 178.75,37.75 180.25,37.75 180.32,37.82 181.19,37.82 188.29,44.92 191.76,44.92 193.49,46.65 193.49,53.76 192.5,54.75 192.5,56.25 195.5,59.25 196.63,59.25 198,60.62 207.49,60.62 209.82,58.29 212.22,58.29 v1(212.25,58.32) ; v1(219.69,39.42) 219.69,39.97 216.84,42.82 215.89,42.82 v1(215.39,43.32)
  Back w0.152: v1(178.5,37.5) 178.5,37.22 179.29,36.43 179.29,33.21 180.07,32.43 181.68,32.43 184,34.75 188.5,34.75 188.75,34.5 190,34.5 190.38,34.12 191.34,34.12 191.69,34.46 191.69,34.46 191.84,34.61 191.84,34.67 191.93,34.76 rU5.26 ; v1(212.25,58.32) 212.76,58.32 213.08,58 213.08,57.64 212.5,57.06 212.5,53.25 213.5,52.25 213.5,49.5 215.39,47.61 215.39,46.5 ; v1(215.39,43.32) 215.39,46.5 ; 215.39,46.5 215.39,47.62 ; v1(219.69,39.42) 219.69,39.19 219.61,39.12 219.61,39.04 218.49,37.92 215.39,37.92 215.08,38.23 rSMDSW2.2
Net-(rU5-USB_DM): length 23.3
  Back w0.254: rU5.46 192.33,41.98 192.33,44.95 193.1,45.73 194,45.73 195.18,46.9 195.18,49.3 193.73,50.75 193.5,50.75 193.5,54 192.5,55 192.5,56.75 193.35,57.6 193.35,59.78 192.27,60.86 rR14.2
Net-(rU5-USB_DP): length 24.2
  Back w0.25: 195.61,49.01 195.56,49.06 195.56,49.46 195.5,49.52 195.5,50
  Back w0.254: rU5.47 192.74,41.98 192.74,44.78 193.27,45.31 194.17,45.31 195.59,46.73 195.59,48.99 195.61,49.01 ; rR13.2 192.5,62.5 194,61 194,57 193.5,56.5 193.5,55 194.25,54.25 194.25,51.25 195.5,50
Net-(rU5-XIN): length 10.1
  Back w0.152: rU5.20 194.33,34.66 194.34,34.66 194.75,34.25 194.75,33.25 195.75,32.25 195.75,31.48 rC22.1 195.75,30.52 195.75,28.85 195.71,28.85 195.46,28.6 195.46,28.46 194.4,27.4 rY1.1
Net-(rU5-XOUT): length 1.4
  Back w0.203: rR15.2 194,34.5 193.93,34.57 ; rU5.21 193.93,34.57 ; 193.93,34.57 193.93,34.51
Net-(U5-RUN): length 14.3
  Back w0.152: U5.26 42.72,35.5 42.44,35.78 41.72,35.78 41.57,35.64 39.97,35.64 39.26,36.34 36.91,36.34 36.43,36.82 32.79,36.82 32.53,37.08 31.2,37.08 SMDSW2.2
Net-(U5-USB_DM): length 8.1
  Back w0.254: 43.1,41.98 43.1,42.15 43.11,42.16 43.11,44.64 42.5,45.25 41,45.25 40.5,44.75 39.49,44.75 R14.2
Net-(U5-USB_DP): length 7
  Back w0.254: R13.2 41.99,45.74 42,45.75 43.04,45.75 43.52,45.27 43.52,44.51 43.52,44.51 43.52,41.98 U5.47
Net-(U5-XIN): length 7.5
  Back w0.203: Y1.1 45.79,29.47 45.79,33.72 45.12,34.39 U5.20
Net-(U5-XOUT): length 1.3
  Back w0.203: U5.21 44.69,35.07 R15.2

## Copper pours and planes (outline as drawn; the poured copper is in the pictures)
+5V on Back: 100.49,36.22 101.29,36.22 101.49,36.72 101.49,37.42 99.79,37.7 99.29,37.2 99.29,37 99.69,36.92 100.09,36.62
+5V on Back: 97.69,86.32 96.79,86.82 95,86.75 94.75,87 94.75,87.5 95.5,88 95.75,88.52 97.09,88.52 97.67,88.95
+5V on In1.Cu: 99.39,37.02 99.39,37.32 99.69,37.52 100.09,37.72 100.69,37.22 100.69,36.52 100.39,36.32
+5V on In1.Cu: 97.19,88.62 95.49,88.62 94.79,88.02 94.79,87.62 95.32,86.94 95.79,86.72 96.89,86.72 97.19,87.12
+5VR on Back: 143.99,84.72 142.29,83.92 141.69,84.72 141.69,85.22 141.39,85.62 140.79,85.82 140.79,86.42 140.49,86.72 140.49,87.92 140.69,88.12 141.09,88.12 142.89,86.72 143.09,85.82
+5VR on In1.Cu: 140.79,85.82 141.59,85.42 141.79,85.02 141.89,84.62 142.29,84.82 142.59,85.52 142.39,87.52 141.09,88.12 140.69,88.12 140.49,87.82
/left/VBUS_unfiltered on Back: 104.89,86.92 105.19,87.42 105.49,88.42 104.29,87.22 104.29,86.92
/left/VBUS_unfiltered on Back: 109.09,86.92 108.79,87.42 108.49,88.42 109.69,87.22 109.69,86.92
GND on Front, In2.Cu: 116.96,101.96 -1,101.78 -1,5.25 116.77,5.45
GNDR on Front: 122.19,101.96 239.69,102.01 240.19,4.82 121.19,5.07
GNDR on In2.Cu: 121.44,101.57 258.44,101.32 258.69,6.57 121.69,5.57
/right/rVBUS_ESD on Back: 133.49,86.92 133.19,87.42 132.89,88.42 134.09,87.22 134.09,86.92
/right/rVBUS_ESD on Back: 129.29,86.92 129.59,87.42 129.89,88.42 128.69,87.22 128.69,86.92

## Text on the board
B.Silkscreen: GND | SWD | SWCLK | Jumper for LED | BOOT | RESET
F.Silkscreen: v1.0.0 3x5 klofi-choc
